# Altium PCB BG1094.PcbDoc (part 1 of 2)
Units mil, origin at the board's own origin, x right, y up, seen from the top; angles counter-clockwise.
Board outline 2559.06 x 2204.72 mil, 4 copper layers (Top Layer, Midlayer 1, Midlayer 2, Bottom Layer), stack 61.304 mil thick; 84 components, 137 nets, 468 pads, 337 vias.
Unrouted connection lines stored in the file: 1.
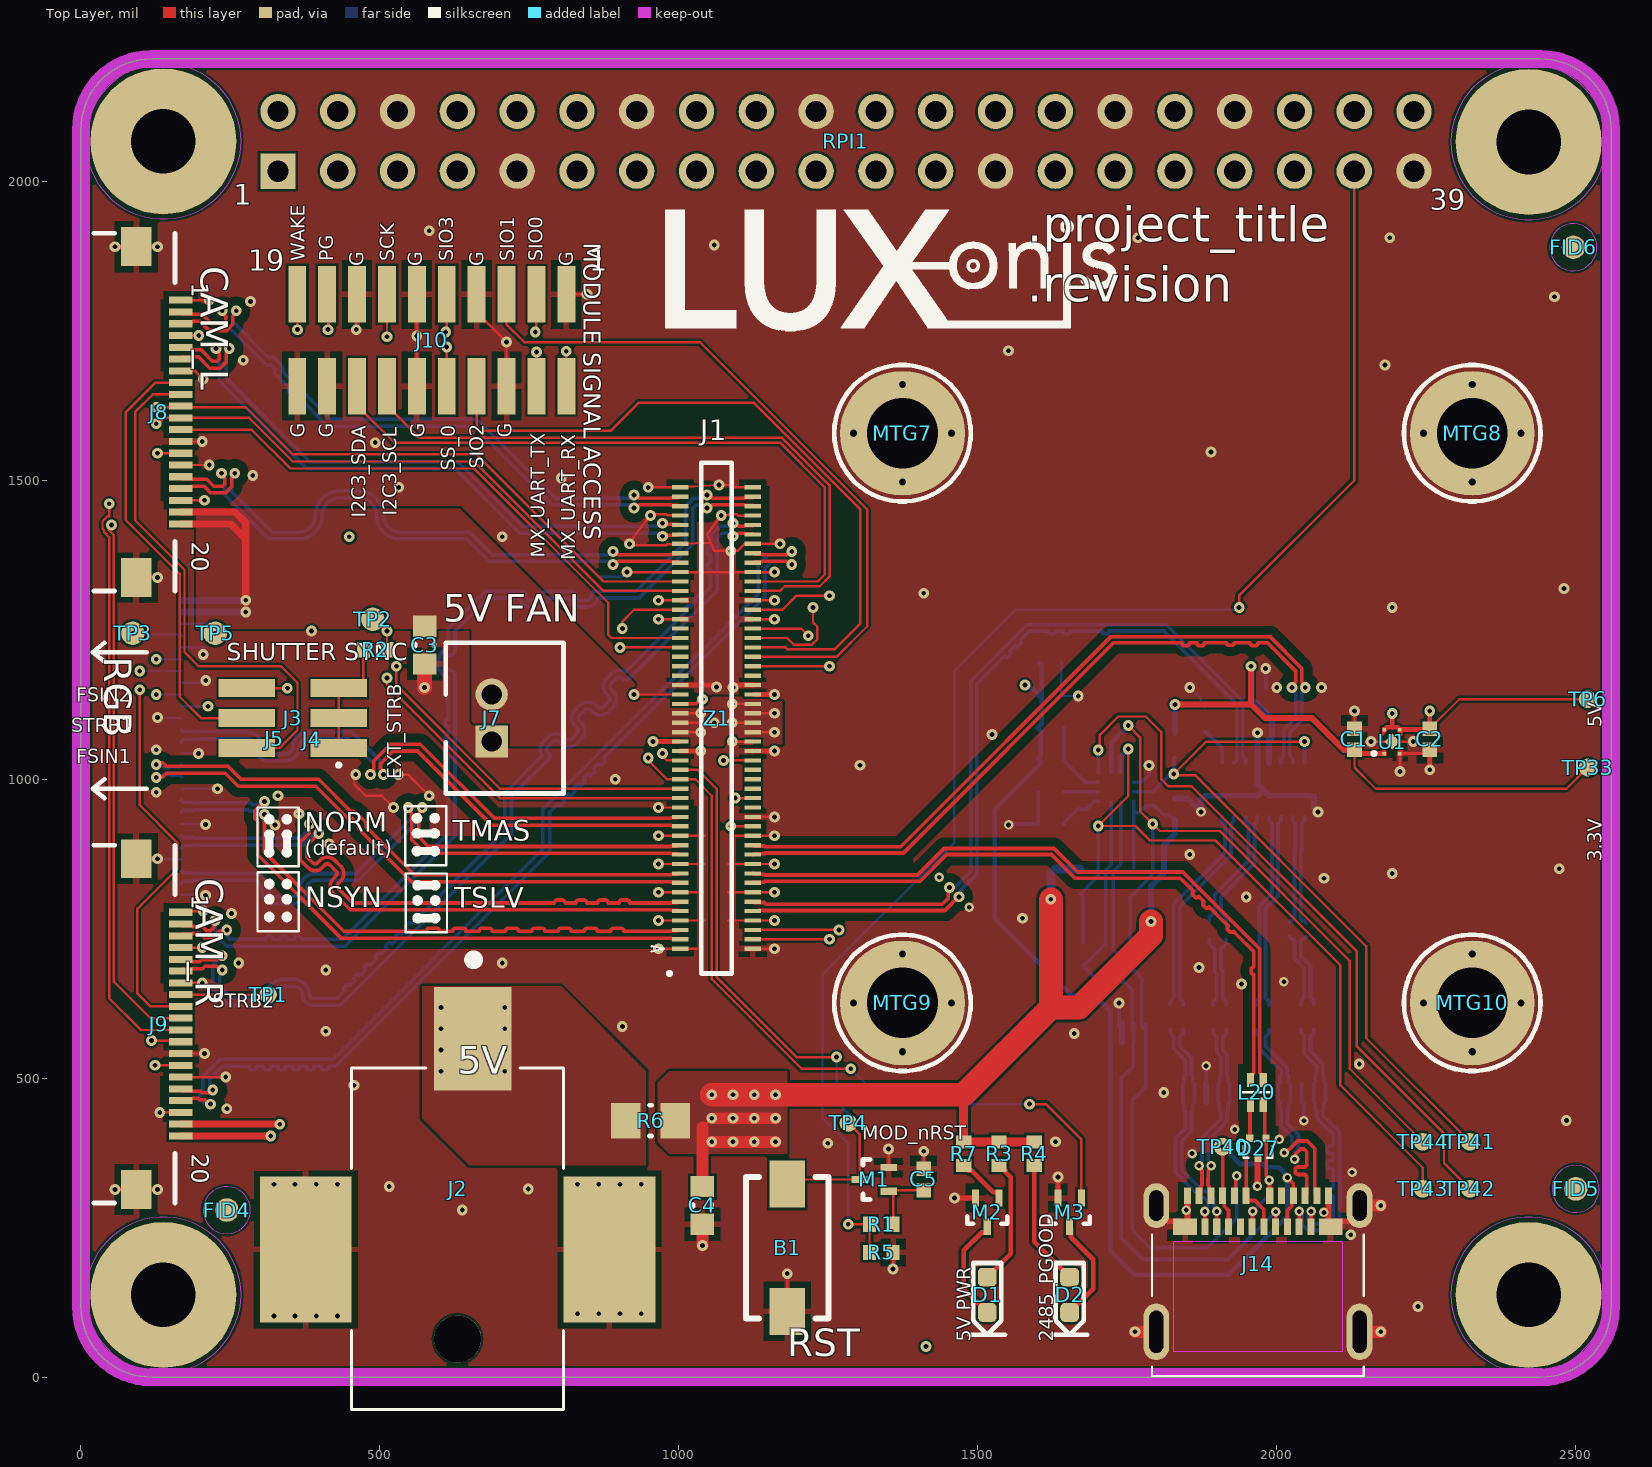
[diagram p0: Top Layer view]
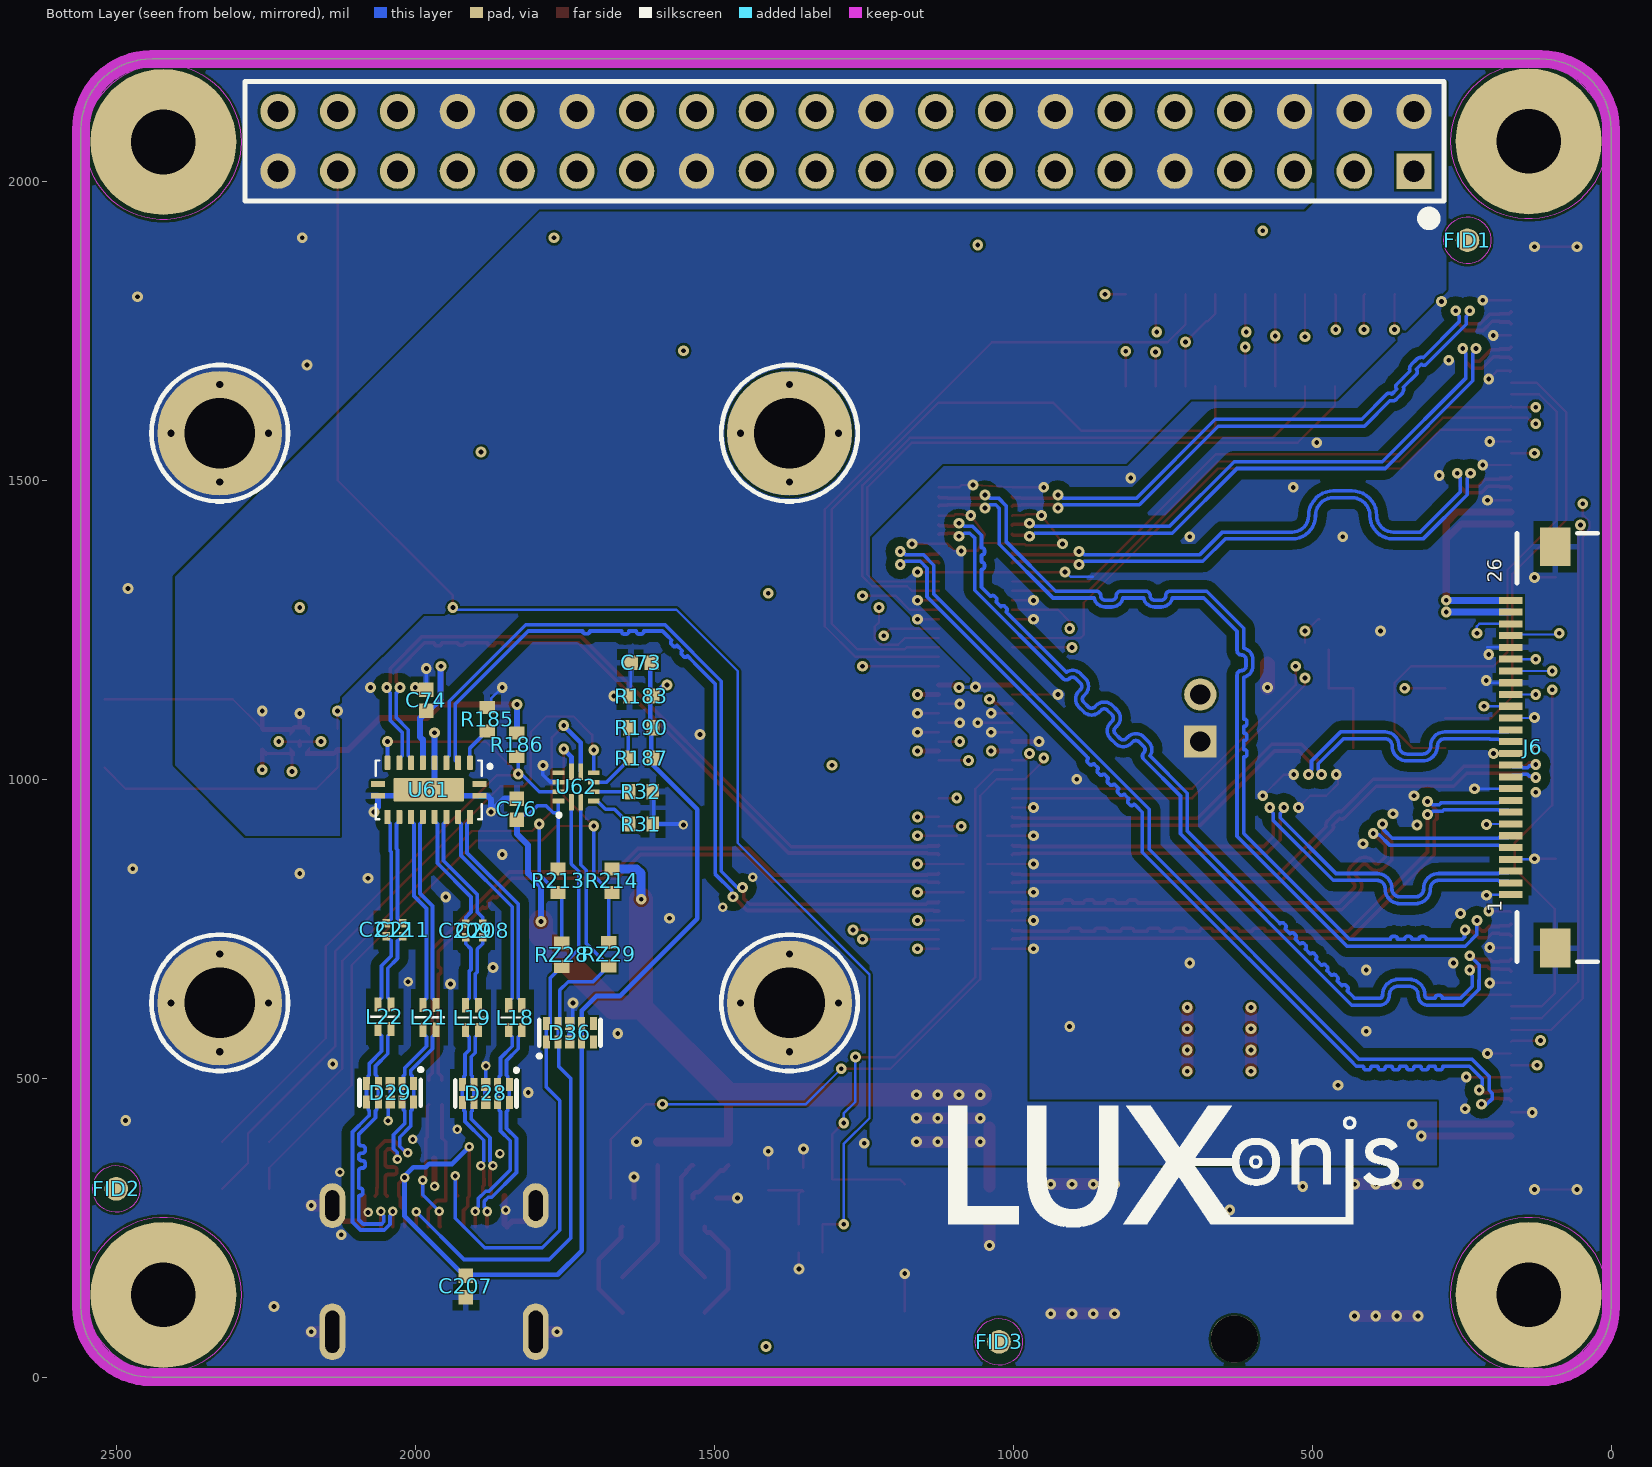
[diagram p1: Bottom Layer view, seen from below]
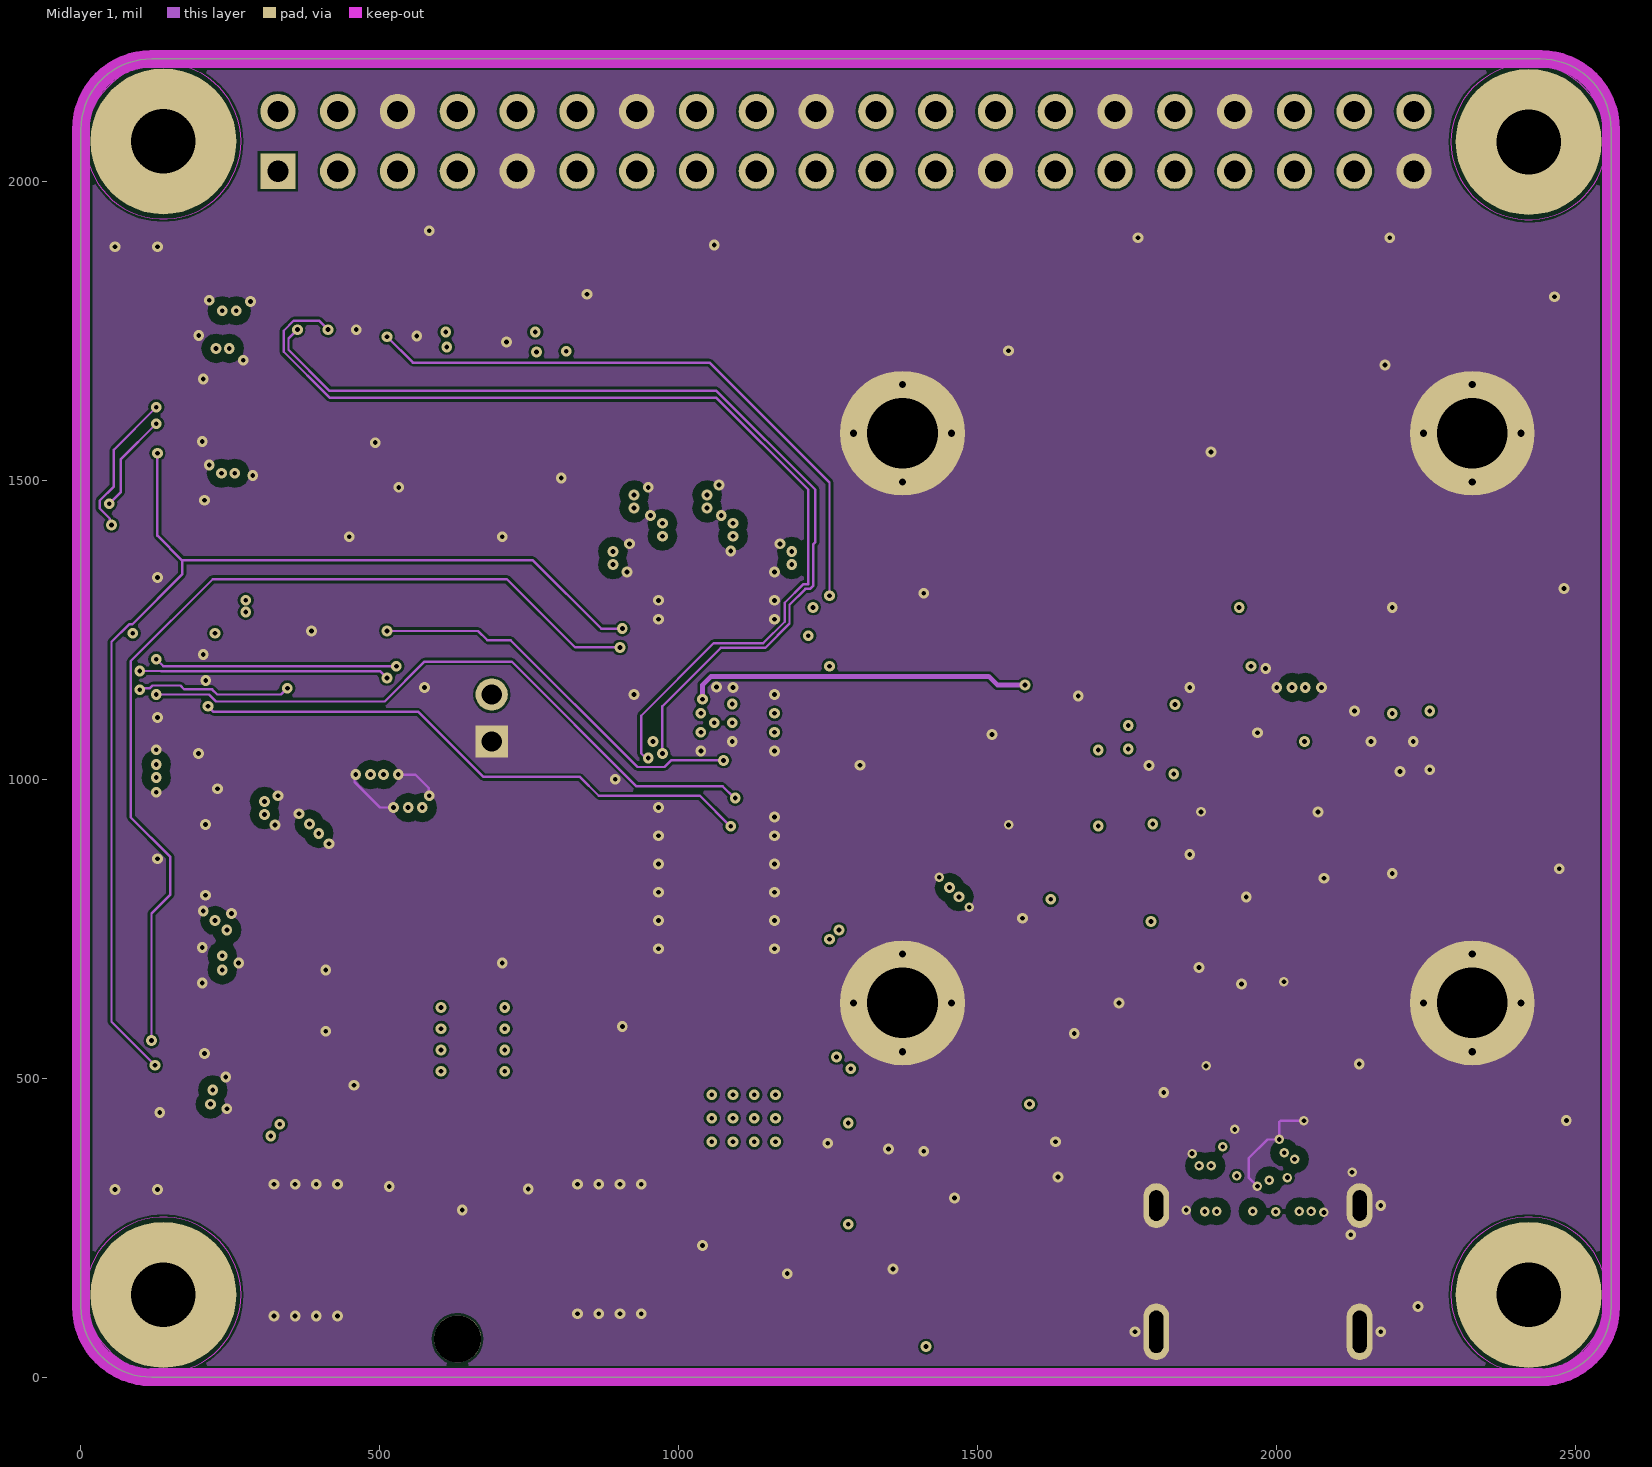
[diagram p2: Midlayer 1]
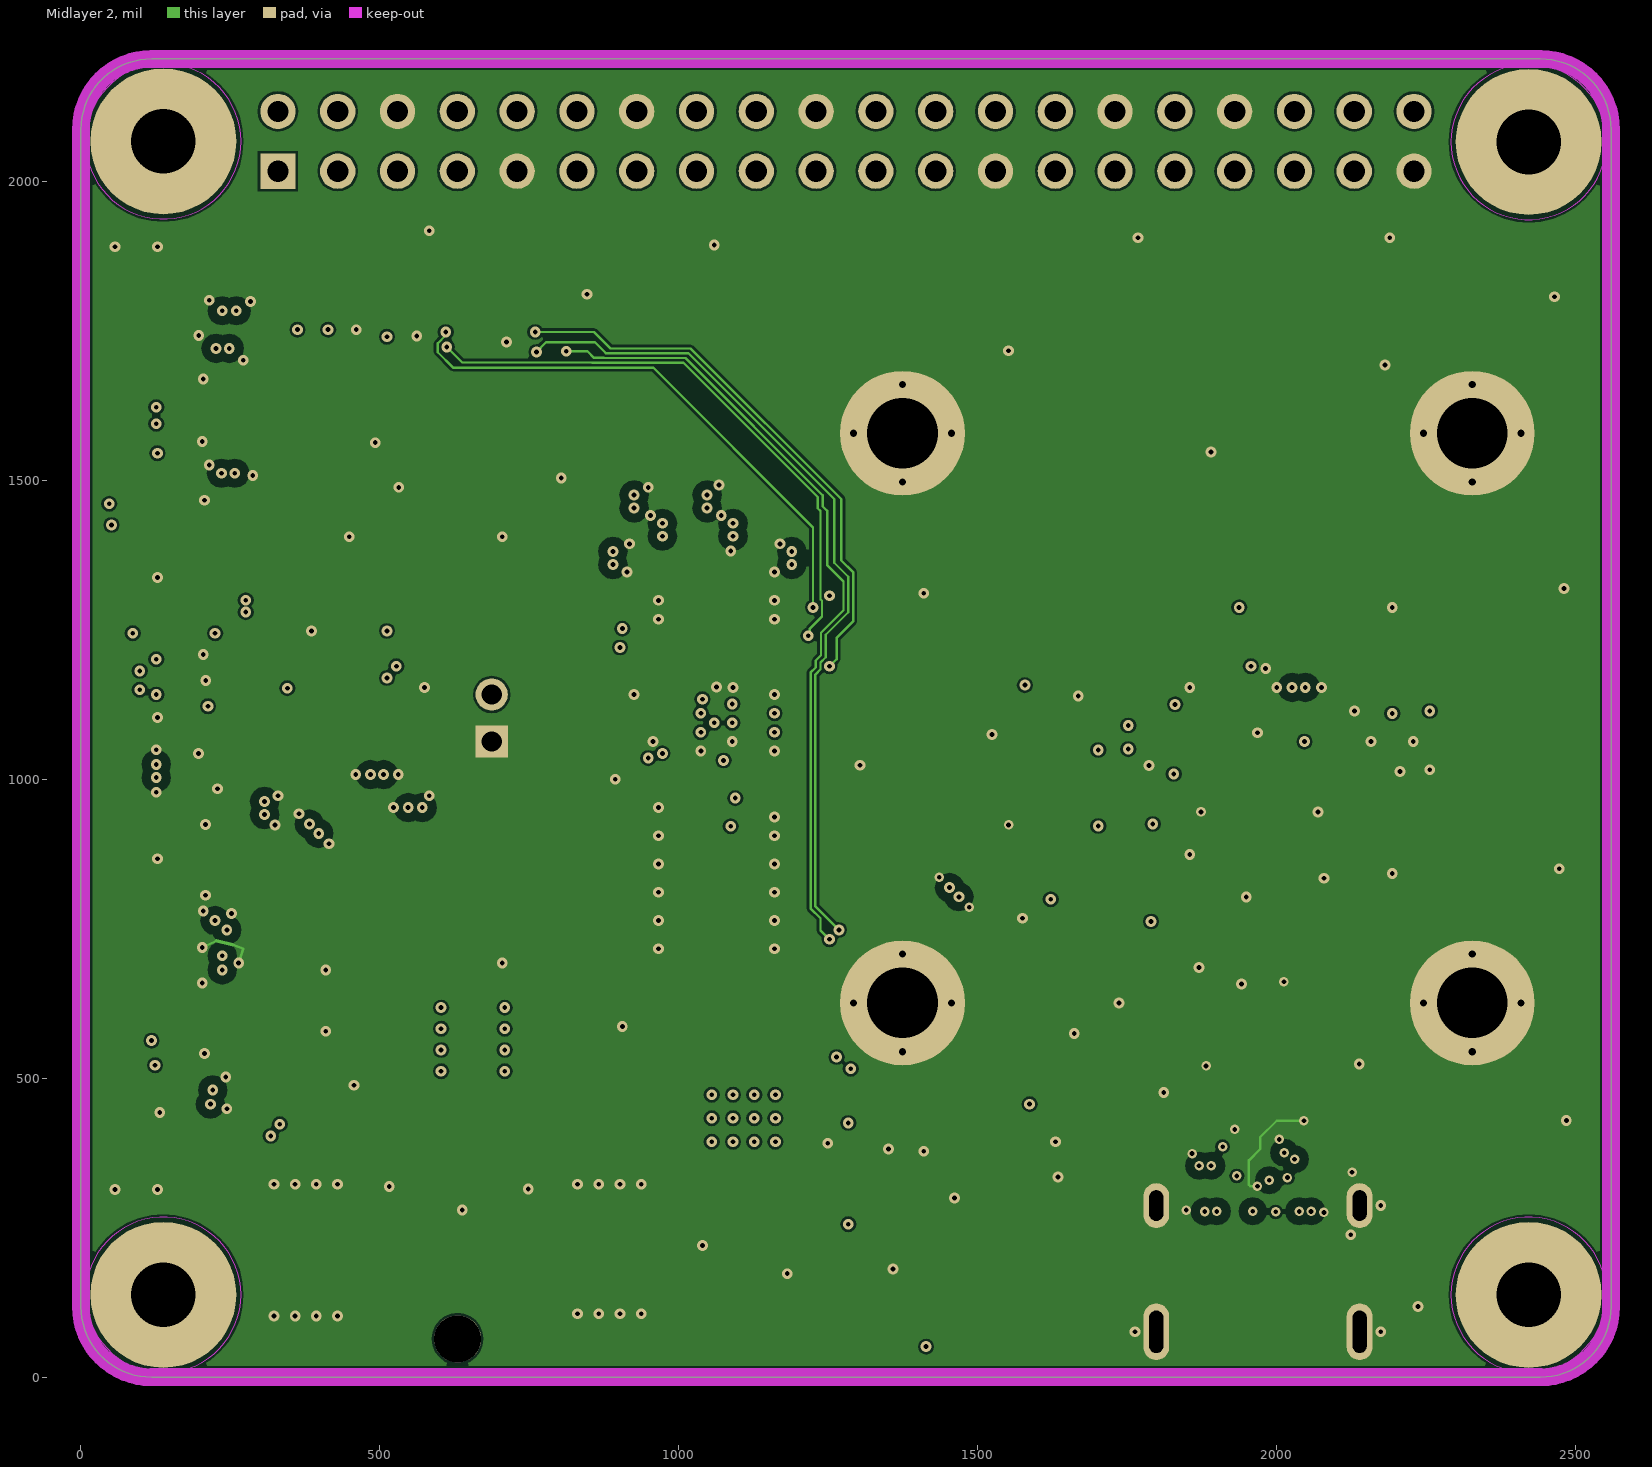
[diagram p3: Midlayer 2]
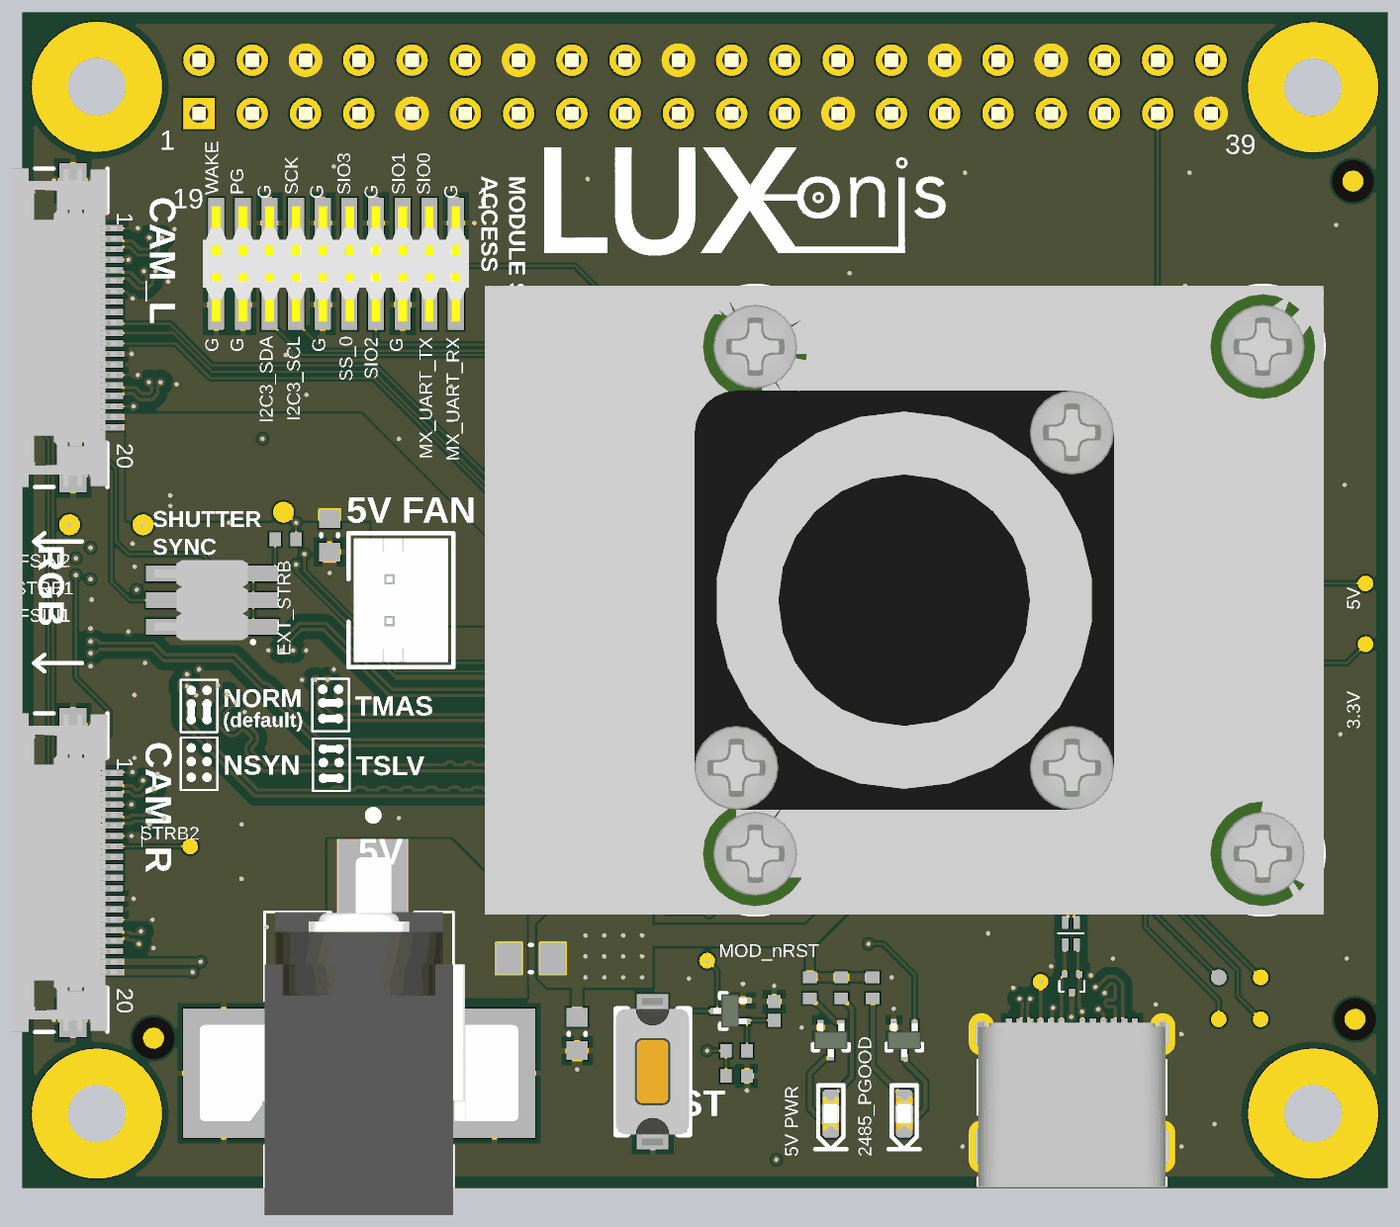
[diagram p5: 3D render of the assembled board from above, using the file's embedded part models]

## Layer stack, top to bottom
Top Solder: solder mask 0.7, SM-001, Dk 4
Top Layer: signal copper 1.3778
Dielectric 1: prepreg 7.874, PP-022, Dk 4.6
Midlayer 1: signal copper 1.4
Dielectric 3: core 40, Core-042, Dk 4.6
Midlayer 2: signal copper 1.4
Dielectric 5: prepreg 7.874, PP-022, Dk 4.6
Bottom Layer: signal copper 1.3778
Bottom Solder: solder mask 0.7, SM-001, Dk 4

## Board outline
0,118.11 ccw(c118.11,118.11) 118.11,0 2440.94,0 ccw(c2440.94,118.11) 2559.06,118.11 2559.05,2086.61 2559.06,2086.61 ccw(c2440.94,2086.61) 2440.94,2204.72 118.11,2204.72 ccw(c118.11,2086.61) 0,2086.61 0.01,2086.61

## Design rules (kind name [scope] priority, off if disabled: settings)
AssemblyTestPointUsage [All] p1: valid=2
Clearance Diff_Pair_Spacing [(InDifferentialPairClass('All Differential Pairs'))] p1: gap=4 ignorepadtopadclearanceinfootprint=FALSE except(15: Arc-Poly Track-Poly SMDPad-Poly THPad-Poly Via-Poly Fill-Poly Poly-Poly)
Clearance general [All] p2: gap=4 ignorepadtopadclearanceinfootprint=FALSE
ComponentClearance [All] p1: gap=0 collisioncheckmode=3 verticalgap=0 showdistances=FALSE
DiffPairsRouting 90ohm_diff_pair [InDifferentialPairClass('90ohm')] p1: maxlimit=10 minlimit=4 mostfreqgap=10 toplayer_maxgap=4.47 toplayer_prefgap=4 toplayer_minwidth=6.22 toplayer_maxwidth=7 toplayer_prefwidth=6.22 bottomlayer_mingap=4.01 bottomlayer_maxgap=4.47 bottomlayer_prefgap=4.01 bottomlayer_minwidth=6.22 bottomlayer_maxwidth=7 bottomlayer_prefwidth=6.22 impedanceprofiledriven=TRUE impedanceprofileid={CFA51B42-1539-4214-A693-7C7B66DE74A9} impedanceprofilevalue=90.000000 maxuncoupledlength=500
DiffPairsRouting 90ohm_diff_pair_1 [InDifferentialPairClass('USB3')] p2: maxlimit=10 minlimit=4 mostfreqgap=10 toplayer_maxgap=4.47 toplayer_prefgap=4 toplayer_minwidth=6.22 toplayer_maxwidth=7 toplayer_prefwidth=6.22 bottomlayer_mingap=4.01 bottomlayer_maxgap=4.47 bottomlayer_prefgap=4.01 bottomlayer_minwidth=6.22 bottomlayer_maxwidth=7 bottomlayer_prefwidth=6.22 impedanceprofiledriven=TRUE impedanceprofileid={CFA51B42-1539-4214-A693-7C7B66DE74A9} impedanceprofilevalue=90.000000 maxuncoupledlength=500
DiffPairsRouting 100ohm_Diff_pair [InDifferentialPairClass('100ohm')] p3: maxlimit=10 minlimit=5.42 mostfreqgap=10 toplayer_maxgap=6.5 toplayer_prefgap=5.42 toplayer_minwidth=6 toplayer_maxwidth=7 toplayer_prefwidth=6 bottomlayer_maxgap=6.5 bottomlayer_prefgap=5.42 bottomlayer_minwidth=6 bottomlayer_maxwidth=7 bottomlayer_prefwidth=6 impedanceprofiledriven=TRUE impedanceprofileid={F7529C79-4F67-4DB4-B61E-83A8E2DC4E0C} impedanceprofilevalue=100.000000 maxuncoupledlength=500
FabricationTestPointUsage [All] p1: valid=2 allowmultiple=FALSE
HoleSize [All] p1: absolutevalues=TRUE maxlimit=150 minlimit=1 maxpercent=80.000 minpercent=20.000
HoleToHoleClearance [All] p1: gap=10 allowstackedmicrovias=FALSE
MatchedLengths "Schematic Matched Net Lengths_2" [InNetClass('SPI')] p1: tolerance=100 checknetsindiffpair=FALSE checkdiffpairvsdiffpair=TRUE checkxsignals=TRUE checkothers=TRUE
MatchedLengths MIPI_CAM_A [InNetClass('MIPI_CAM_A')] p2: tolerance=5 checknetsindiffpair=FALSE checkdiffpairvsdiffpair=TRUE checkxsignals=TRUE checkothers=TRUE
MatchedLengths MIPI_CAM_B [InNetClass('MIPI_CAM_B')] p3: tolerance=5 checknetsindiffpair=FALSE checkdiffpairvsdiffpair=TRUE checkxsignals=TRUE checkothers=TRUE
MatchedLengths MIPI_CAM_C [InNetClass('MIPI_CAM_C')] p4: tolerance=5 checknetsindiffpair=FALSE checkdiffpairvsdiffpair=TRUE checkxsignals=TRUE checkothers=TRUE
MatchedLengths DIFF_PAIR [(InDifferentialPairClass('All Differential Pairs'))] p5: tolerance=5 checknetsindiffpair=TRUE checkdiffpairvsdiffpair=FALSE checkxsignals=FALSE checkothers=FALSE
MinimumSolderMaskSliver [All] p1: minsoldermaskwidth=3
PlaneConnect [All] p1: pad.planeconnectstyle=Relief pad.reliefexpansion=20 pad.reliefentries=4 pad.reliefconductorwidth=10 pad.reliefairgap=10 via.planeconnectstyle=Direct via.reliefexpansion=20 via.reliefentries=4 via.reliefconductorwidth=10 via.reliefairgap=10
PolygonConnect OuterLayerGND_PolyClass [InPolygonClass('OuterGND')] p1: thpad.connectstyle=Direct thpad.reliefconductorwidth=10 thpad.reliefentries=4 thpad.polygonreliefangle="90 Angle" thpad.airgapwidth=10 smdpad.connectstyle=Relief smdpad.reliefconductorwidth=10 smdpad.reliefentries=4 smdpad.polygonreliefangle="90 Angle" smdpad.airgapwidth=10 via.connectstyle=Direct via.reliefconductorwidth=10 via.reliefentries=4 via.polygonreliefangle="90 Angle" via.airgapwidth=10
PolygonConnect GenericPoly [All] p2: connectstyle=Direct reliefconductorwidth=10 reliefentries=4 polygonreliefangle="90 Angle" airgapwidth=10
RoutingVias [All] p1: holewidth=10 width=18 viastyle="Through Hole" minholewidth=8 minwidth=16 maxholewidth=1000 maxwidth=1000 viatemplateguid#1={131ED2CF-21CB-4A9C-A689-A4CEDEDCBAE6} viatemplateguid#2={18A4AB13-8D0D-4DD3-A28B-08C1A22E9AAF} viatemplatename#1=v41h20m0mx0 viatemplatename#2=v46h20m0mx0
SilkToSilkClearance [All] p1: silktosilkclearance=5
SilkToSolderMaskClearance SilkscreenOverComponentPads [IsPad] p1: minsilkscreentomaskgap=0 clearancetoexposedcopper=FALSE
SolderMaskExpansion [All] p1: expansion=2
UnRoutedNet [All] p1: checkbadconnections=TRUE
Width [All] p1: maxlimit=100 minlimit=4 preferedwidth=4
19 further rules are at their usual default settings.

## Classes and differential pairs
net class SPI: SPI_SCK SPI_SIO0 SPI_SIO1 SPI_SIO2 SPI_SIO3 SPI_SS_0
differential pair class 90ohm: USB_D USB_RX USB_TX
polygon class OuterGND: GND_L01_P045 GND_L04_P049
differential pair class USB3: RXB RXB1 RXC RXC1 TXB TXB1 TXB2 TXC TXC1 TXC2 USB_D USB_D_1 USB_RX USB_TX
component class Designator: RPI1
differential pair class 100ohm: CAM_L_C CAM_L_D0 CAM_L_D1 CAM_R_C CAM_R_D0 CAM_R_D1 MIPI_C MIPI_D0 MIPI_D1 MIPI_D2 MIPI_D3 MIPI_RX2_C MIPI_RX2_D0 MIPI_RX2_D1 MIPI_RX3_C MIPI_RX3_D0 MIPI_RX3_D1 MIPI_RX4_C MIPI_RX4_D0 MIPI_RX4_D1 MIPI_RX5_D0 MIPI_RX5_D1
net class Power_trace: 5V_IN VBUS VDD_5V
net class MIPI_CAM_C: CAM_R_C_N CAM_R_C_P CAM_R_D0_N CAM_R_D0_P CAM_R_D1_N CAM_R_D1_P
net class MIPI_CAM_B: CAM_L_C_N CAM_L_C_P CAM_L_D0_N CAM_L_D0_P CAM_L_D1_N CAM_L_D1_P
net class MIPI_CAM_A: MIPI_C_N MIPI_C_P MIPI_D0_N MIPI_D0_P MIPI_D1_N MIPI_D1_P MIPI_D2_N MIPI_D2_P MIPI_D3_N MIPI_D3_P
component class U_BG1094_USB: C73 C74 C76 C207 C208 C209 C211 C212 D27 D28 D29 D36 J14 L18 L19 L20 L21 L22 R31 R32 R183 R185 R186 R187 R190 R213 R214 RZ28 RZ29 TP40 TP41 TP42 TP43 TP44 U61 U62
component class U_BG1094_MIPI_CAM: D9 D10 D11 D12 D13 D14 J3 J4 J5 J6 J8 J9 R2 TP1 TP3 TP5
component class U_BG1094_Connector: B1 C5 J1 J10 M1 R1 R5 TP2 TP4 TP6 Z1
component class BG1094_TopLevel: C1 C2 C3 C4 D1 D2 FID1 FID2 FID3 FID4 FID5 FID6 J2 J7 M2 M3 MTG7 MTG8 MTG9 MTG10 R3 R4 R6 R7 TP33 U1
differential pair CAM_R_D1: +CAM_R_D1_P -CAM_R_D1_N
differential pair CAM_R_D0: +CAM_R_D0_P -CAM_R_D0_N
differential pair CAM_R_C: +CAM_R_C_P -CAM_R_C_N
differential pair CAM_L_D1: +CAM_L_D1_P -CAM_L_D1_N
differential pair CAM_L_D0: +CAM_L_D0_P -CAM_L_D0_N
differential pair CAM_L_C: +CAM_L_C_P -CAM_L_C_N
differential pair USB_TX: +USB_TX_P -USB_TX_N
differential pair USB_RX: +USB_RX_P -USB_RX_N
differential pair USB_D: +USB_D_P -USB_D_N
differential pair USB_D_1: +USB_D_1_P -USB_D_1_N
differential pair TXC: +TXC_P -TXC_N
differential pair TXC2: +TXC2_P -TXC2_N
differential pair TXC1: +TXC1_P -TXC1_N
differential pair TXB: +TXB_P -TXB_N
differential pair TXB2: +TXB2_P -TXB2_N
differential pair TXB1: +TXB1_P -TXB1_N
differential pair RXC: +RXC_P -RXC_N
differential pair RXC1: +RXC1_P -RXC1_N
differential pair RXB: +RXB_P -RXB_N
differential pair RXB1: +RXB1_P -RXB1_N
differential pair MIPI_D3: +MIPI_D3_P -MIPI_D3_N
differential pair MIPI_D2: +MIPI_D2_P -MIPI_D2_N
differential pair MIPI_D1: +MIPI_D1_P -MIPI_D1_N
differential pair MIPI_D0: +MIPI_D0_P -MIPI_D0_N
differential pair MIPI_C: +MIPI_C_P -MIPI_C_N

## Components (designator, comment, footprint, x,y, rotation, side; value= is the part's Value field where it differs from the comment)
B1 "DTSM32N" DTSM32N 1181.1,216.54 r90 top
C1 "10uF/6.3V" CAPC0402(1005)70_N 2129.92,1066.93 r270 top
C2 "1uF, 0402, 10%" CAPC0402(1005)70_N 2255.91,1066.93 r270 top
C3 "CAP, MLCC, X5R, 22UF, 10V, 0603" CAPC0603(1608)100_N 574.8,1224.41 r270 top
C4 "CAP, MLCC, X5R, 22UF, 10V, 0603" CAPC0603(1608)100_N 1039.37,287.4 r270 top
C5 "0.1uF 10V" CAPC0402(1005)70_N 1409.45,330.71 r270 top
C73 "10uF/6.3V" CAPC0402(1005)70_N 1622.04,1194.88 r180 bottom
C74 "10uF/6.3V" CAPC0402(1005)70_N 1981.33,1132.21 r270 bottom
C76 "10uF/6.3V" CAPC0402(1005)70_N 1829.92,949.9 r270 bottom
C207 "10uF/6.3V" CAPC0402(1005)70_N 1915.14,151.74 r90 bottom
C208 "100nF" CAPC0201(0603)33_L 1887.21,747.02 r270 bottom
C209 "100nF" CAPC0201(0603)33_L 1915.56,747.02 r270 bottom
C211 "100nF" CAPC0201(0603)33_L 2020.94,748.13 r270 bottom
C212 "100nF" CAPC0201(0603)33_L 2048.5,748.13 r270 bottom
D1 "RED" LED_0603 1515.75,137.8 r90 top
D2 "SML-D12D8WT86" LED_0603 1653.54,137.8 r90 top
D27 "TPD2EUSB30" SOT-3 1968.5,382.87 r180 top
D28 "TPD4E02B04" DQA-10 1881.88,474.51 r0 bottom
D29 "TPD4E02B04" DQA-10 2042,475.51 r0 bottom
D36 "TPD4E02B04" DQA-10 1741.25,575.89 r180 bottom
FID1 "FID" FIDUCIAL_1MM 240.16,1901.57 r90 bottom
FID2 "FID" FIDUCIAL_1MM 2500,314.96 r90 bottom
FID3 "FID" FIDUCIAL_1MM 1023.62,59.06 r90 bottom
FID4 "FID" FIDUCIAL_1MM 244.09,279.53 r90 top
FID5 "FID" FIDUCIAL_1MM 2500,314.96 r90 top
FID6 "FID" FIDUCIAL_1MM 2496.06,1889.76 r90 top
J1 "DF40HC(3.0)-100DS-0.4V_BW1099G2 Receptacle" DF40HC-3.0-100DS-0.4V_minpad 1062.99,1102.36 r180 top locked
J2 "PJ-036AH-SMT-TR" CUI_PJ-036AH-SMT-TR 629.92,314.96 r90 top locked
J3 "6 pin header" con-20021121-00006C4LF 354.33,1102.36 r90 top locked
J4 "1.27mm hdr shunt" HDR_SHUNT_1.27MM 385.83,1066.93 r90 top
J5 "1.27mm hdr shunt" HDR_SHUNT_1.27MM 323.68,1067.76 r90 top
J6 "CONN FFC TOP 26POS 0.50MM R/A" 54550-2671 157.48,1052.81 r90 bottom locked
J7 "B2B-PH-K-S(LF)(SN)" *JST_B2B-PH-K-S(LF)(SN) 708.66,1102.36 r270 top locked
J8 "54548-2071" 545482071 157.48,1614.17 r270 top locked
J9 "54548-2071" 545482071 157.48,590.55 r270 top
J10 "20021121-00020T1LF" 20021121-00020T1LF 586.81,1734.25 r180 top
J14 "105450-0101" Molex_105450-0101 1968.5,277.56 r0 top
L18 "DLP11TB800UL2L" CHOKE_0504 1832.68,601.48 r90 bottom
L19 "DLP11TB800UL2L" CHOKE_0504 1904.72,601.48 r90 bottom
L20 "DLP11TB800UL2L" CHOKE_0504 1966.53,476.37 r270 top
L21 "DLP11TB800UL2L" CHOKE_0504 1976.09,601.85 r90 bottom
L22 "DLP11TB800UL2L" CHOKE_0504 2051.18,602.83 r90 bottom
M1 "RE1C002UNTCL" SOT-416FL 1326.77,330.71 r90 top
M2 "RE1C002UNTCL" SOT-416FL 1515.75,275.59 r180 top
M3 "RE1C002UNTCL" SOT-416FL 1653.54,275.59 r180 top
MTG7 "MTG-HOLE" STANDOFF_M2X0.4_3MM 1374.02,1578.74 r0 top locked
MTG8 "MTG-HOLE" STANDOFF_M2X0.4_3MM 2326.77,1578.74 r0 top locked
MTG9 "MTG-HOLE" STANDOFF_M2X0.4_3MM 1374.02,625.98 r0 top locked
MTG10 "MTG-HOLE" STANDOFF_M2X0.4_3MM 2326.77,625.98 r0 top locked
R1 "RES SMD 10K OHM 5% 1/16W 0402" RESC0402(1005)_N 1338.58,255.91 r180 top
R2 "RES SMD 10K OHM 5% 1/16W 0402" RESC0402(1005)_N 492.13,1216.54 r180 top
R3 "1k" RESC0402(1005)_N 1535.43,374.02 r90 top
R4 "1k" RESC0402(1005)_N 1594.49,374.02 r90 top
R5 "RES SMD 10K OHM 5% 1/16W 0402" RESC0402(1005)_N 1338.58,208.66 r180 top
R6 "RES 0.02 OHM 1% 1/2W 0805" RESC0805(2012)_M 952.76,429.13 r180 top
R7 "1k" RESC0402(1005)_N 1476.38,374.02 r90 top
R31 "10k" RESC0402(1005)_N 1622.44,925.19 r180 bottom
R32 "10k" RESC0402(1005)_N 1622.44,979.33 r180 bottom
R183 "10k" RESC0402(1005)_N 1622.04,1139.23 r180 bottom
R185 "10k" RESC0402(1005)_N 1879.61,1100.69 r90 bottom
R186 "10k" RESC0402(1005)_N 1829.92,1057.86 r90 bottom
R187 "1.8M" RESC0402(1005)_N 1622.05,1035.43 r180 bottom
R190 "1.8M" RESC0402(1005)_N 1622.04,1085.92 r180 bottom
R213 "10k" RESC0402(1005)_N 1761.04,830.63 r90 bottom
R214 "10k" RESC0402(1005)_N 1671.02,830.26 r90 bottom
RPI1 "RPI GPIO Connector" RPI-HAT-40-SOCKET 1279.53,2066.93 r180 top locked
RZ28 "10k" RESC0402(1005)_N 1755.14,706.61 r90 bottom
RZ29 "10k" RESC0402(1005)_N 1676.39,707.39 r90 bottom
TP1 "TP_SMD" TP_0.75MM_SMD_NO-SILK#1 312.99,639.76 r0 top
TP2 "CurrentFootprint" TP100_200_NS 488.19,1267.72 r180 top
TP3 "CurrentFootprint" TP100_200_NS 86.61,1244.09 r270 top
TP4 "TP_SMD" TP_0.75MM_SMD_NO-SILK#1 1283.46,425.2 r90 top
TP5 "CurrentFootprint" TP100_200_NS 224.41,1244.09 r270 top
TP6 "TP_SMD" TP_0.75MM_SMD_NO-SILK#1 2519.68,1133.86 r90 top
TP33 "TP_SMD" TP_0.75MM_SMD_NO-SILK#1 2519.68,1019.69 r90 top
TP40 "TP_SMD" TP_0.75MM_SMD_NO-SILK#1 1909.45,385.47 r90 top
TP41 "TP_SMD" TP_0.75MM_SMD_NO-SILK#1 2322.83,393.7 r90 top
TP42 "TP_SMD" TP_0.75MM_SMD_NO-SILK#1 2322.83,314.96 r90 top
TP43 "TP_SMD" TP_0.75MM_SMD_NO-SILK#1 2244.09,314.96 r90 top
TP44 "TP_SMD" TP_0.75MM_SMD_NO-SILK#2 2244.09,393.7 r0 top